# Altium PCB LimeSDR-X3_1v2.PcbDoc (part 16 of 25) (continued)
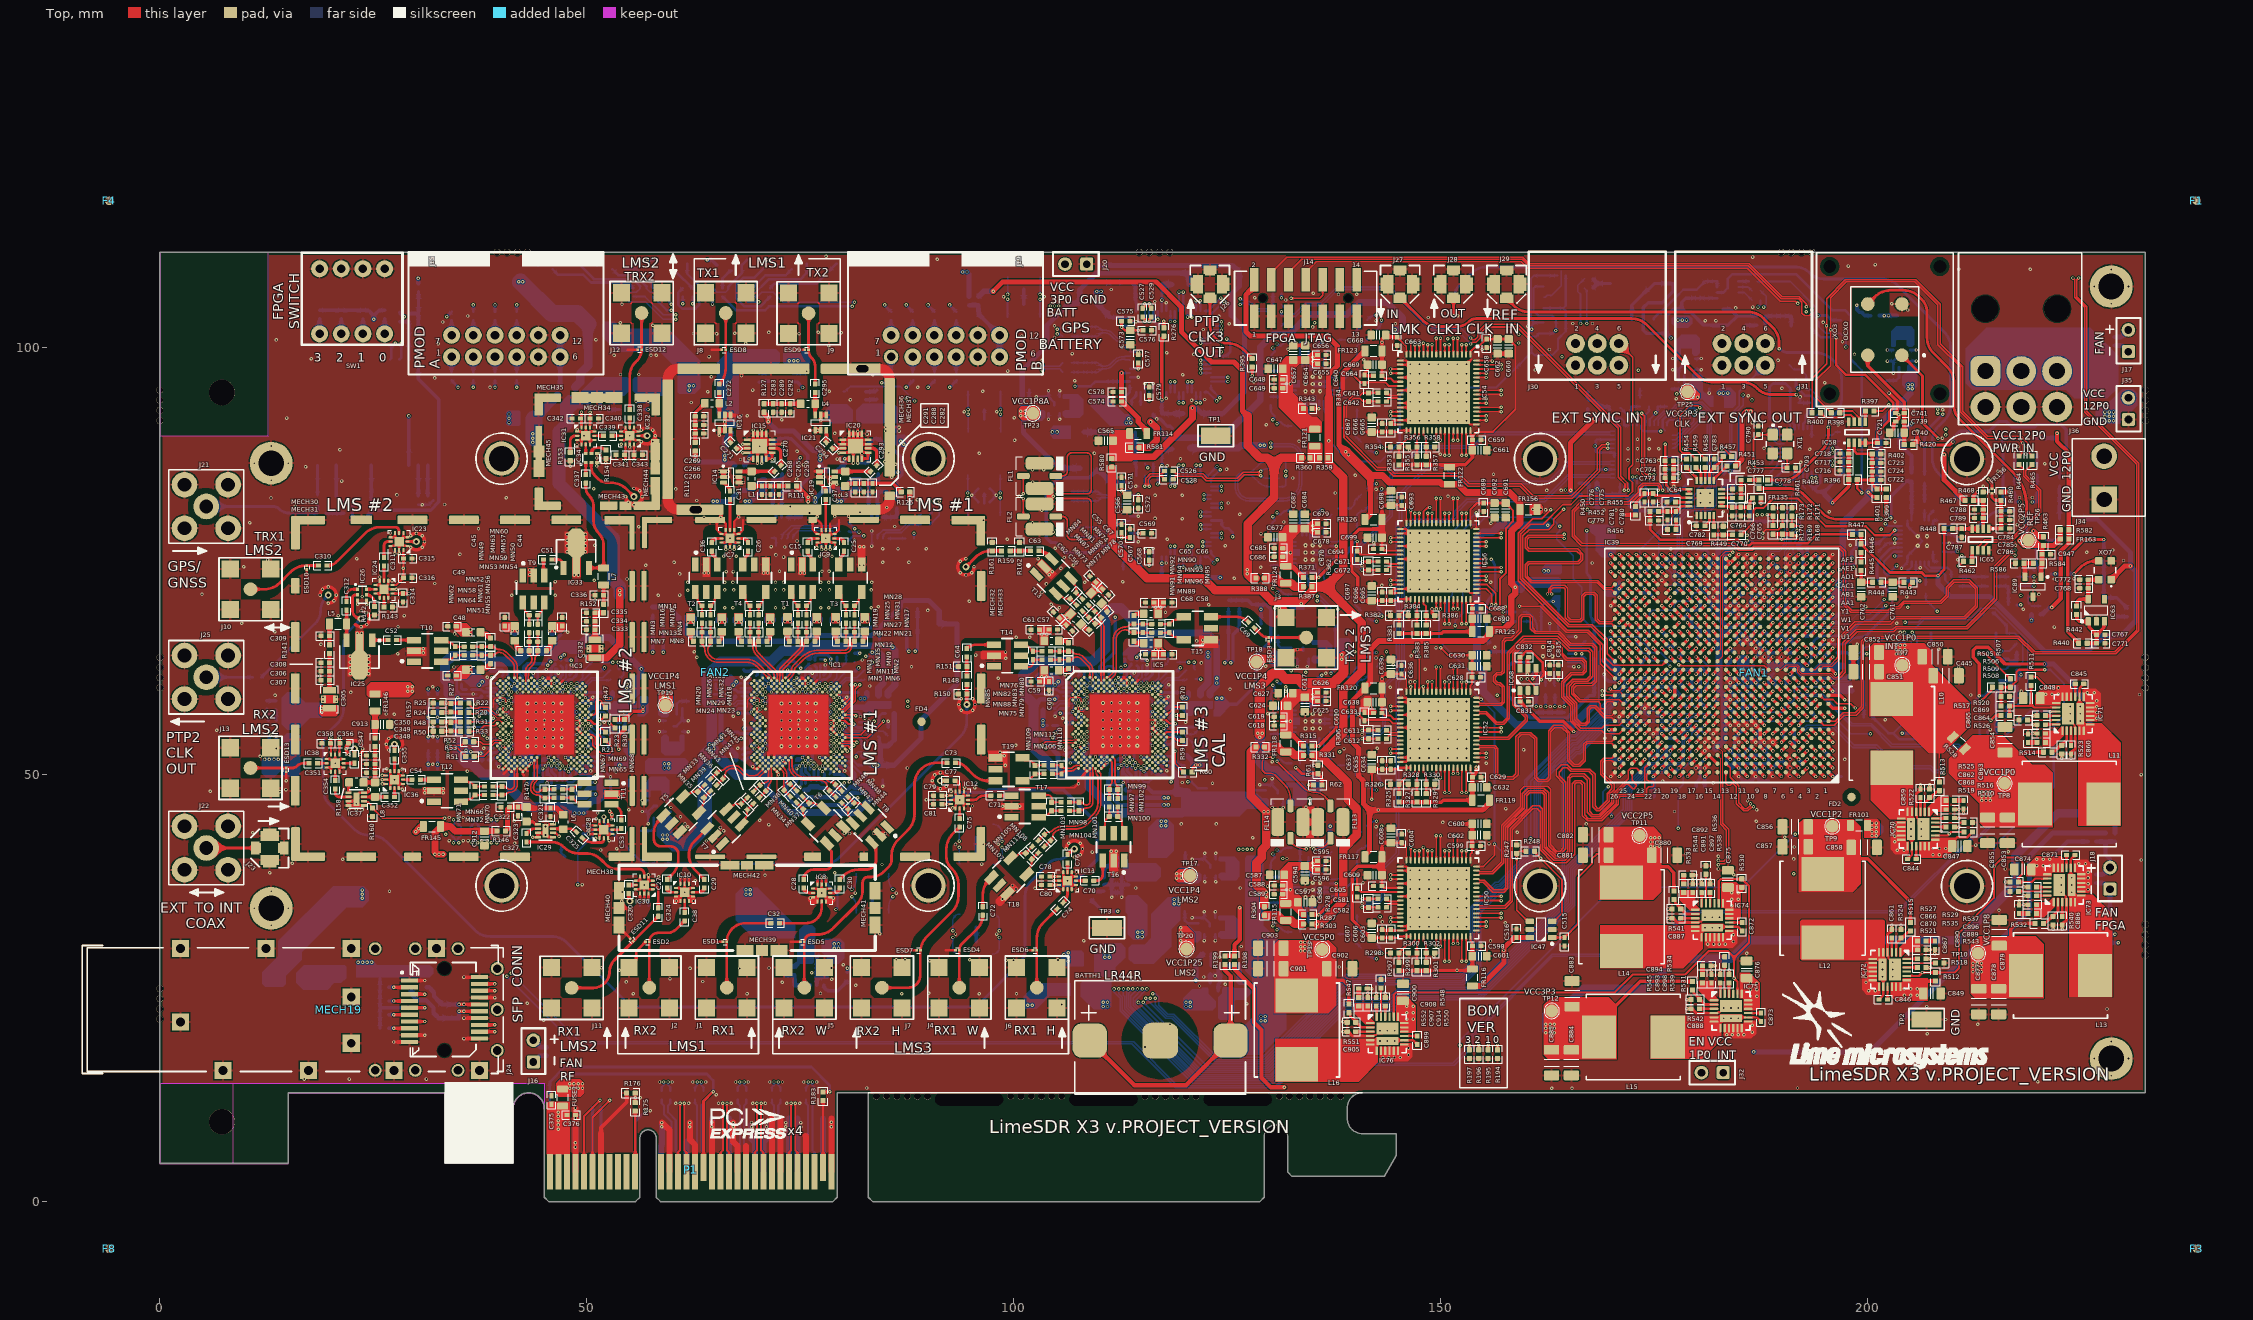
[diagram p0: Top view]
## Nets (pads, with @x,y where several pads share a name; then routed paths per layer and width w, separated by ;. In a path a pad name is that pad's centre, name@x,y a point inside that pad or via, vN(x,y) a via of type N, cw(c..) or ccw(c..) an arc to the next point about the centre after c; other vN are vias at no path point) (continued)
LMS2_TX2_BB_DAC_I_P: C523.2 IC49.29 R268.2 R270.2 R272.1 | length 7.4
  Bottom w0.2: R272.1@106.702,102.427 R270.2@107.802,102.427 108.852,102.427 R268.2@109.782,102.427 ; R268.2@109.782,102.429 cw(c109.782,102.258) R268.2@109.902,102.379 ; R268.2@109.903,102.378 110.091,102.19 cw(c110.063,102.162) 110.102,102.162 ccw(c110.142,102.162) 110.114,102.134 ccw(c110.369,102.389) 110.369,102.029 110.666,102.029 cw(c110.666,100.796) 111.538,101.668 111.959,101.247 ccw(c112.728,102.016) 112.728,100.928 112.937,100.928 ccw(c112.937,101.013) 112.998,100.953 cw(c113.058,100.893) 113.058,100.978 113.457,100.978 ccw(c113.457,101.149) IC49.29@113.578,101.028
LMS2_TX2_BB_DAC_Q_N: C521.1 IC49.24 R254.1 R256.2 R258.1 | length 7.4
  Bottom w0.2: R254.1@106.702,97.129 R256.2@107.802,97.129 108.852,97.129 R258.1@109.782,97.129 ; R258.1@109.782,97.127 ccw(c109.782,97.298) R258.1@109.902,97.179 ; R258.1@109.903,97.178 110.091,97.366 ccw(c110.063,97.394) 110.102,97.394 cw(c110.142,97.394) 110.114,97.422 cw(c110.369,97.167) 110.369,97.527 110.666,97.527 ccw(c110.666,98.76) 111.538,97.888 111.959,98.309 cw(c112.728,97.54) 112.728,98.628 112.937,98.628 cw(c112.937,98.543) 112.998,98.603 ccw(c113.058,98.663) 113.058,98.578 113.457,98.578 cw(c113.457,98.407) IC49.24@113.578,98.528
LMS2_TX2_BB_DAC_Q_P: C521.2 IC49.25 R258.2 R260.2 R262.1 | length 7.4
  Bottom w0.2: R262.1@106.702,98.229 R260.2@107.802,98.229 108.852,98.229 R258.2@109.782,98.229 ; R258.2@109.782,98.227 cw(c109.782,98.056) 109.902,98.177 110.091,97.989 cw(c110.063,97.961) 110.102,97.961 ccw(c110.142,97.961) 110.114,97.933 ccw(c110.369,98.187) 110.369,97.827 110.662,97.827 ccw(c110.662,98.769) 111.329,98.104 111.748,98.523 cw(c112.725,97.546) 112.725,98.928 112.937,98.928 ccw(c112.937,99.013) 112.998,98.953 cw(c113.058,98.893) 113.058,98.978 113.457,98.978 ccw(c113.457,99.149) IC49.25@113.578,99.028
LMS2_TX2_BB_I_N: FL6.1 R264.2 | length 12.2
  L3 w0.1: v1(103.056,105.679) cw(c103.056,105.766) 102.995,105.705 ccw(c102.639,105.348) 102.639,105.852 102.552,105.852 ccw(c102.552,105.325) 102.025,105.325 102.025,104.66 ccw(c102.635,104.66) 102.635,104.05 105.355,104.05 cw(c105.355,103.205) 106.2,103.205 106.2,102.427 cw(c105.55,102.427) 105.55,101.777 105.492,101.777 ccw(c105.492,101.273) 105.136,101.629 cw(c105.075,101.69) v1(105.075,101.604)
  Bottom w0.2: FL6.1@103.056,103.575 v1(103.056,105.679) ; v1(105.075,101.604) cw(c105.075,100.759) 105.673,101.357 R264.2@105.702,101.327
LMS2_TX2_BB_I_P: FL5.1 R272.2 | length 12.2
  L3 w0.1: v1(103.056,106.225) ccw(c103.056,106.139) 102.995,106.2 cw(c102.639,106.556) 102.639,106.052 102.552,106.052 ccw(c102.552,105.325) 101.825,105.325 101.825,104.66 ccw(c102.635,104.66) 102.635,103.85 105.355,103.85 cw(c105.355,103.205) 106,103.205 106,102.427 cw(c105.55,102.427) 105.55,101.977 105.492,101.977 cw(c105.492,102.481) 105.136,102.125 ccw(c105.075,102.064) v1(105.075,102.15)
  Bottom w0.15: v1(103.056,106.225) FL5.1@103.056,108.325
  Bottom w0.2: v1(105.075,102.15) ccw(c105.075,102.995) 105.673,102.398 R272.2@105.702,102.427
LMS2_TX2_BB_Q_N: FL8.1 R254.2 | length 13.4
  L3 w0.1: v1(98.425,92.2) ccw(c98.425,92.286) 98.486,92.225 cw(c98.842,91.869) 98.842,92.373 99.148,92.373 ccw(c99.148,93.4) 100.175,93.4 100.175,95.054 cw(c102.7,95.054) 102.7,97.579 102.766,97.579 cw(c102.766,96.823) v1(103.3,97.358)
  Bottom w0.15: FL8.1@98.425,90.1 v1(98.425,92.2)
  Bottom w0.2: v1(103.3,97.358) cw(c103.713,96.944) 103.713,97.529 105.261,97.529 cw(c105.261,97.229) 105.473,97.441 cw(c105.402,97.37) 105.502,97.37 ccw(c105.602,97.37) 105.532,97.299 R254.2@105.702,97.129
LMS2_TX2_BB_Q_P: FL7.1 R262.2 | length 13.4
  L3 w0.1: v1(98.425,92.746) cw(c98.425,92.659) 98.486,92.72 ccw(c98.842,93.077) 98.842,92.573 99.148,92.573 ccw(c99.148,93.4) 99.975,93.4 99.975,95.054 cw(c102.7,95.054) 102.7,97.779 102.766,97.779 ccw(c102.766,98.534) v1(103.3,98)
  Bottom w0.2: v1(98.425,92.746) FL7.1@98.425,94.85 ; v1(103.3,98) ccw(c103.713,98.413) 103.713,97.829 105.261,97.829 ccw(c105.261,98.129) 105.473,97.917 ccw(c105.402,97.987) 105.502,97.987 cw(c105.602,97.987) 105.532,98.058 R262.2@105.702,98.229
LMS2_TXEN: IC3.U29 IC39.AA8 R30.2 | length 236.9
  Top w0.4: v1(53.7,52.975) 53.7,54.591 54.391,55.282 R30.2@54.391,55.457 ; IC39.AA8@188.375,70.275 v1(188.875,70.775)
  L3 w0.1: v1(134.625,46.6) 134.125,47.1 134.125,53.39 133,54.515 133,60.4 133.738,61.138 133.738,62.175 133.95,62.387 133.95,62.8 134.45,63.3 134.65,63.3 137.65,66.3 142.342,66.3 144.95,68.908 144.95,69.525 145.799,70.374 145.799,78.801 144.85,79.75 144.85,90.858 146.092,92.1 146.625,92.1 146.9,92.375 146.9,98.142 145.3,99.742 145.3,101.209 146.566,102.475 159.2,102.475 160.05,101.625 163.692,101.625 164.542,102.475 172.325,102.475 173.3,101.5 175.408,101.5 180.233,96.675 186.925,96.675 191.1,92.5 191.1,82.694 189.6,81.194 189.6,79.175 188.825,78.4 188.825,77.441 187.925,76.541 187.925,74.908 187.5,74.483 187.5,71.645 187.72,71.425 188.225,71.425 v1(188.875,70.775)
  L4 w0.1: v2(48.825,56.006) 48.825,55.398 49.373,54.85 50.8,54.85 52.675,52.975 v1(53.7,52.975) 59.517,52.975 66.292,46.2 70.55,46.2 71.925,44.825 77.117,44.825 77.917,44.025 82.85,44.025 84.15,45.325 110.075,45.325 120.35,45.325 122.025,47 134.225,47 v1(134.625,46.6)
LMS2_TxPLL_CLK: C800.2 IC3.E5 R473.1 | length 138
  L6 w0.1: v2(40.833,60.002) 41.975,60.002 cw(c41.975,59.627) 42.35,59.627 42.35,55.525 ccw(c43,55.525) 43,54.875 46.701,54.875 cw(c46.701,53.851) 47.425,54.575 47.81,54.19 ccw(c48.45,54.83) 48.45,53.925 59.598,53.925 cw(c59.598,51.385) 61.394,53.181 65.856,48.719 ccw(c67.652,50.515) 67.652,47.975 75.923,47.975 cw(c75.923,45.435) 77.719,47.231 77.869,47.081 78.456,46.494 ccw(c80.252,48.29) 80.252,45.75 99.123,45.75 cw(c99.123,43.21) 100.919,45.006 101.506,44.419 ccw(c103.302,46.215) 103.302,43.675 107.1,43.675 cw(c107.1,41.2) 108.85,42.95 ccw(c109.997,44.097) 109.997,42.475 123.448,42.475 ccw(c123.448,45.015) 125.244,43.219 130.981,48.956 cw(c132.777,47.16) 132.777,49.7 136.598,49.7 ccw(c136.598,52.24) 138.394,50.444 145.429,57.479 cw(c146.627,56.28) 146.627,57.975 157.534,57.975 ccw(c157.534,59.341) 158.5,58.375 cw(c158.983,57.892) 158.983,58.575 161.775,58.575 cw(c161.775,58.1) 162.25,58.1 v1(162.25,57.976)
  Bottom w0.325: C800.2@162.25,58.276 R473.1@162.25,59.376
LMS2_TXRF1_1AB_N: IC3.A7 MN55.1 MN61.2 MN64.2 | length 7.1
  Top w0.14: IC3.A7@41.499,61.334 ccw(c41.47,61.363) 41.511,61.363 41.511,62.246 41.501,62.256
  Top w0.2: MN64.2@36.625,63.982 MN61.2@37.675,63.982 MN55.1@38.725,63.982 38.915,63.982 ccw(c38.915,64.49) 39.274,64.13 39.306,64.163 cw(c39.665,63.804) 39.665,64.312 cw(c39.665,63.236) 40.426,63.997 41.241,63.182 cw(c40.612,62.553) 41.501,62.553 41.501,62.381 41.501,62.256
LMS2_TXRF1_1AB_P: IC3.B8 MN56.1 MN58.2 MN61.1 | length 7.9
  Top w0.11: IC3.B8@41.832,61.001 41.832,61.506
  Top w0.14: 41.832,61.506 41.832,62.246 41.841,62.256
  Top w0.2: MN58.2@36.625,64.982 MN61.1@37.675,64.982 MN56.1@38.725,64.982 38.915,64.982 cw(c38.915,64.474) 39.274,64.833 39.306,64.8 ccw(c39.665,65.16) 39.665,64.652 39.669,64.652 cw(c39.669,63.245) 40.664,64.24 41.482,63.421 cw(c40.615,62.554) 41.841,62.554 41.841,62.381 41.841,62.256
LMS2_TXRF1_1BB_N: MN62.1 MN64.1 T10.6 | length 3
  Top w0.2: T10.6@32.94,63.137 33.285,63.482 33.935,63.482 ccw(c33.935,63.819) 34.174,63.58 MN62.1@34.575,63.982 MN64.1@35.625,63.982
LMS2_TXRF1_1BB_P: MN58.1 MN62.2 T10.4 | length 3
  Top w0.2: T10.4@32.94,65.827 33.285,65.482 33.935,65.482 cw(c33.935,65.144) 34.174,65.383 MN62.2@34.575,64.982 35.225,64.982 MN58.1@35.625,64.982
LMS2_TXRF2_1AB_N: IC3.C11 MN53.1 MN59.2 MN63.2 | length 6.3
  Top w0.11: IC3.C11@42.831,60.668 42.831,61.173
  Top w0.14: 42.831,61.173 42.831,61.913
  Top w0.2: 42.822,61.923 42.822,62.096 cw(c43.765,62.096) 43.098,62.763 43.39,63.056 ccw(c42.956,63.491) 43.571,63.491 43.571,63.566 ccw(c43.063,63.566) 43.422,63.925 43.39,63.958 cw(c43.749,64.317) 43.241,64.317 MN53.1@43.241,64.507 MN59.2@43.241,65.557 43.241,66.382 MN63.2@43.241,66.607
LMS2_TXRF2_1AB_P: IC3.B12 MN54.1 MN57.2 MN59.1 | length 5.9
  Top w0.14: 43.152,61.913 43.152,61.03 ccw(c43.193,61.03) IC3.B12@43.164,61.001
  Top w0.2: 43.162,61.955 43.162,61.998 cw(c44.002,61.998) 43.408,62.592 43.631,62.816 ccw(c42.956,63.491) 43.911,63.491 43.911,63.566 cw(c44.419,63.566) 44.06,63.925 44.092,63.958 ccw(c43.733,64.317) 44.241,64.317 MN54.1@44.241,64.507 44.241,65.307 MN59.1@44.241,65.557 MN57.2@44.241,66.607
LMS2_TXRF2_1BB_N: MN60.1 MN63.1 T9.6 | length 3
  Top w0.2: T9.6@42.396,70.291 42.741,69.946 42.741,69.296 ccw(c43.078,69.296) 42.84,69.058 MN60.1@43.241,68.657 MN63.1@43.241,67.607
LMS2_TXRF2_1BB_P: MN57.1 MN60.2 T9.4 | length 3
  Top w0.2: MN57.1@44.241,67.607 44.241,68.007 MN60.2@44.241,68.657 44.642,69.058 ccw(c44.404,69.296) 44.741,69.296 44.741,69.946 T9.4@45.086,70.291
LMS3_BB_ADC1_CLK_N: C642.2 IC67.33 R334.1 | length 46
  Top w0.2: C642.2@142.634,93.702 140.85,93.702 140.5,94.052 139.801,94.052 138.95,93.201 138.95,89.574 142.574,85.95 143.874,85.95 144.549,85.275 152.075,85.275 153.3,84.05 159.4,84.05 160.788,82.662 165.287,82.662 168.3,85.675 168.3,88.101 168.824,88.625 169.222,88.625 169.284,88.687 169.491,88.687 v1(169.529,88.725)
  Bottom w0.2: v1(169.529,88.725) IC67.33@170.3,88.725
LMS3_BB_ADC1_CLK_P: C641.2 IC67.32 R334.2 | length 46.9
  Top w0.2: C641.2@142.634,94.702 R334.2@141.534,94.702 140.85,94.702 140.5,94.352 139.677,94.352 138.65,93.325 138.65,89.45 142.45,85.65 143.75,85.65 144.425,84.975 151.951,84.975 153.176,83.75 159.276,83.75 160.664,82.362 165.411,82.362 168.6,85.551 168.6,87.977 168.948,88.325 169.222,88.325 169.284,88.263 169.491,88.263 v1(169.529,88.225)
  Bottom w0.2: v1(169.529,88.225) IC67.32@170.3,88.225
LMS3_BB_ADC1_CLKC_N: C642.1 IC54.26 | length 1.8
  Top w0.2: C642.1@143.634,93.75 143.822,93.938 ccw(c143.794,93.966) 143.834,93.966 cw(c143.873,93.966) 143.845,93.994 cw(c144.1,93.74) 144.1,94.1 144.625,94.1 144.813,94.1 cw(c144.813,93.929) 144.934,94.05 ccw(c145.055,94.171) 145.055,94 IC54.26@145.25,94
LMS3_BB_ADC1_CLKC_P: C641.1 IC54.25 | length 1.8
  Top w0.2: C641.1@143.634,94.75 143.822,94.562 cw(c143.794,94.534) 143.834,94.534 ccw(c143.873,94.534) 143.845,94.506 ccw(c144.1,94.76) 144.1,94.4 144.813,94.4 ccw(c144.813,94.571) 144.934,94.45 cw(c145.055,94.329) 145.055,94.5 IC54.25@145.25,94.5
LMS3_BB_ADC1_CLKOUT_N: IC39.AB20 IC54.56 | length 56
  Top w0.2: IC54.56@154.15,94.5 v1(157.05,94.5)
  Top w0.4: IC39.AB20@176.375,71.275 v1(176.875,71.775)
  L3 w0.1: v1@157.021,94.5 v1(157.05,94.5) 157.079,94.5 157.229,94.65 173.97,94.65 179.175,89.445 179.175,87.834 178.85,87.509 178.85,86.475 179.375,85.95 180.642,85.95 180.95,85.642 180.95,85.293 180.732,85.075 179.809,85.075 179.275,84.541 179.275,82.1 180.125,81.25 180.682,81.25 180.854,81.079 180.854,80.804 180.75,80.7 179.809,80.7 179.275,80.166 179.275,79.326 179.876,78.725 180.95,78.725 181.1,78.575 181.1,77.55 180.975,77.425 179.976,77.425 179.3,76.749 179.3,74.6 179.075,74.375 178.592,74.375 178.25,74.033 178.25,71.65 177.975,71.375 177.275,71.375 v1(176.875,71.775)
LMS3_BB_ADC1_CLKOUT_P: IC39.AA20 IC54.57 | length 56.7
  Top w0.2: IC54.57@154.15,95 v1(157.05,95)
  Top w0.4: IC39.AA20@176.375,70.275 v1(176.875,70.775)
  L3 w0.1: v1@157.021,95 v1(157.05,95) 157.079,95 157.229,94.85 173.358,94.85 174.053,94.85 179.375,89.528 179.375,87.751 179.05,87.426 179.05,86.558 179.458,86.15 180.725,86.15 181.15,85.725 181.15,85.21 180.815,84.875 179.892,84.875 179.475,84.458 179.475,82.183 180.208,81.45 180.765,81.45 181.054,81.162 181.054,80.721 180.833,80.5 179.892,80.5 179.475,80.083 179.475,79.409 179.959,78.925 181.033,78.925 181.3,78.658 181.3,77.467 181.058,77.225 180.059,77.225 179.5,76.666 179.5,74.517 179.158,74.175 178.675,74.175 178.45,73.95 178.45,71.567 178.216,71.334 178.058,71.175 177.275,71.175 v1(176.875,70.775)
LMS3_BB_ADC1_CTRL1: IC54.35 R353.1 R354.2 | length 4.1
  Top w0.24: R353.1@145.075,87.275 R354.2@145.075,88.375 146,89.3 146.425,89.3 146.95,89.825 IC54.35@146.95,90.3
LMS3_BB_ADC1_CTRL2: IC54.36 R355.1 R356.2 | length 3.1
  Top w0.24: R355.1@147.175,87.275 R356.2@147.175,88.375 147.175,89.475 147.45,89.75 IC54.36@147.45,90.3
LMS3_BB_ADC1_CTRL3: IC54.37 R357.1 R358.2 | length 3.2
  Top w0.24: IC54.37@147.95,90.3 147.95,89.775 148.275,89.45 R358.2@148.275,88.375 R357.1@148.275,87.275
LMS3_BB_ADC1_DA0_N: IC39.AD26 IC54.40 | length 55.8
  Top w0.2: v1(149.45,89.15) IC54.40@149.45,90.3
  Top w0.4: v1(169.875,73.775) IC39.AD26@170.375,73.275
  L3 w0.1: v1@149.45,89.121 v1(149.45,89.15) 149.45,89.179 149.6,89.329 149.6,89.8 149.325,90.075 148.633,90.075 147.8,89.242 147.8,88.45 148.225,88.025 149.225,88.025 149.525,87.725 149.525,86.875 149.175,86.525 148.078,86.525 147.8,86.247 147.8,85.658 149.108,84.35 154.322,84.35 155.2,85.228 155.2,86.85 155.55,87.2 156.35,87.2 156.725,86.825 156.725,85.178 158.078,83.825 163.606,83.825 164.456,84.675 166.067,84.675 166.767,83.975 168.081,83.975 168.458,84.351 169.356,84.351 169.415,84.293 169.8,83.908 169.8,82.553 170.878,81.475 171.75,81.475 172.075,81.15 172.075,79.942 168.575,76.442 168.575,74.717 167.9,74.042 167.9,73.833 168.358,73.375 168.65,73.375 168.775,73.5 168.775,73.875 168.875,73.975 169.125,73.975 169.225,73.875 169.225,73.5 169.325,73.4 169.775,73.4 169.875,73.5 v1(169.875,73.775)
LMS3_BB_ADC1_DA0_P: IC39.AD25 IC54.41 | length 56.8
  Top w0.2: v1(149.95,89.15) IC54.41@149.95,90.3
  Top w0.4: v1(170.875,73.775) IC39.AD25@171.375,73.275
  L3 w0.1: v1@149.95,89.121 v1(149.95,89.15) 149.95,89.179 149.8,89.329 149.8,89.883 149.483,90.2 149.408,90.275 148.55,90.275 147.6,89.325 147.6,88.367 148.142,87.825 149.142,87.825 149.325,87.642 149.325,86.958 149.092,86.725 147.996,86.725 147.6,86.329 147.6,85.575 149.025,84.15 154.405,84.15 155.4,85.145 155.4,86.767 155.633,87 156.267,87 156.525,86.742 156.525,85.095 157.995,83.625 163.689,83.625 164.539,84.475 165.984,84.475 166.684,83.775 168.164,83.775 168.541,84.151 169.274,84.151 169.332,84.093 169.6,83.825 169.6,82.47 170.795,81.275 171.667,81.275 171.875,81.067 171.875,80.025 168.375,76.525 168.375,74.8 167.7,74.125 167.7,73.75 168.275,73.175 169.85,73.175 170.45,73.775 v1(170.875,73.775)
LMS3_BB_ADC1_DA1_N: IC39.AC23 IC54.42 | length 56.7
  Top w0.2: v1(150.45,87.4) IC54.42@150.45,90.3
  Top w0.4: v1(172.875,72.775) IC39.AC23@173.375,72.275
  L3 w0.1: v1(150.45,87.4) 150.45,87.371 150.6,87.221 ; 150.6,87.2 150.6,86.275 150.6,86.192 152.242,84.55 154.234,84.55 154.334,84.65 154.339,84.65 155,85.311 155,88.2 155.1,88.3 156.825,88.3 156.925,88.2 156.925,85.261 158.161,84.025 163.524,84.025 164.97,85.472 165.553,85.472 166.85,84.175 167.999,84.175 168.6,84.776 168.6,86.392 169.083,86.875 169.625,86.875 170,86.5 170,85.359 170.4,84.959 170.4,84.6 170,84.2 170,82.636 170.961,81.675 172.425,81.675 172.889,81.211 172.889,80.389 169.006,76.506 169.006,74.794 169.625,74.175 173.05,74.175 173.275,73.95 173.275,73.15 172.9,72.775 v1(172.875,72.775)
LMS3_BB_ADC1_DA1_P: IC39.AC22 IC54.43 | length 56.7
  Top w0.2: v1(150.95,87.4) IC54.43@150.95,90.3
  Top w0.4: v1(173.875,72.775) IC39.AC22@174.375,72.275
  L3 w0.1: 150.8,87.2 150.8,86.275 152.325,84.75 154.151,84.75 154.251,84.85 154.256,84.85 154.8,85.394 154.8,88.283 155.017,88.5 156.908,88.5 157.125,88.283 157.125,85.344 158.244,84.225 163.441,84.225 164.888,85.672 165.636,85.672 166.933,84.375 167.916,84.375 168.4,84.859 168.4,86.475 169,87.075 169.708,87.075 170.2,86.583 170.2,85.442 170.6,85.042 170.6,84.517 170.2,84.117 170.2,82.719 171.044,81.875 172.508,81.875 173.089,81.294 173.089,80.306 169.206,76.423 169.206,74.877 169.708,74.375 173.133,74.375 173.475,74.033 173.475,73.15 173.85,72.775 v1(173.875,72.775) ; 150.8,87.221 150.95,87.371 v1(150.95,87.4)
LMS3_BB_ADC1_DA2_N: IC39.AE26 IC54.44 | length 55.8
  Top w0.2: v1(151.45,89.15) IC54.44@151.45,90.3
  Top w0.4: v1(169.875,74.775) IC39.AE26@170.375,74.275
  L3 w0.1: v1@151.45,89.179 v1(151.45,89.15) 151.45,89.121 151.6,88.971 151.6,85.867 151.6,85.784 152.334,85.05 154.174,85.05 154.6,85.476 154.6,88.4 154.9,88.7 157.051,88.7 157.325,88.426 157.325,85.426 158.326,84.425 163.358,84.425 164.425,85.492 164.425,87.917 164.633,88.125 165.592,88.125 165.8,87.917 165.8,85.791 167.016,84.575 167.833,84.575 168.2,84.942 168.2,87.325 168.425,87.55 169.7,87.55 170.4,86.85 170.4,85.525 170.8,85.125 170.8,84.191 170.4,83.791 170.4,82.801 171.126,82.075 172.961,82.075 173.289,81.747 173.289,80.17 170.275,77.156 170.275,75.175 v1(169.875,74.775)
LMS3_BB_ADC1_DA2_P: IC39.AE25 IC54.45 | length 55.8
  Top w0.2: v1(151.95,89.15) IC54.45@151.95,90.3
  Top w0.4: v1(170.875,74.775) IC39.AE25@171.375,74.275
  L3 w0.1: v1@151.95,89.179 v1(151.95,89.15) 151.95,89.121 151.8,88.971 151.8,85.867 152.417,85.25 154.091,85.25 154.4,85.559 154.4,88.483 154.817,88.9 157.134,88.9 157.525,88.509 157.525,85.509 158.409,84.625 163.275,84.625 164.225,85.575 164.225,88 164.55,88.325 165.675,88.325 166,88 166,85.874 167.099,84.775 167.75,84.775 168,85.025 168,87.408 168.342,87.75 169.783,87.75 170.6,86.933 170.6,85.608 171,85.208 171,84.108 170.6,83.708 170.6,82.884 171.209,82.275 173.044,82.275 173.489,81.83 173.489,80.087 170.475,77.074 170.475,75.175 v1(170.875,74.775)
LMS3_BB_ADC1_DA3_N: IC39.AF25 IC54.46 | length 55.8
  Top w0.2: v1(152.45,87.4) IC54.46@152.45,90.3
  Top w0.4: v1(170.875,75.775) IC39.AF25@171.375,75.275
  L3 w0.1: v1@152.45,87.429 v1(152.45,87.4) 152.45,87.371 152.6,87.221 ; 152.6,87.2 152.6,85.917 152.6,85.717 152.867,85.45 154.008,85.45 154.2,85.642 154.2,88.567 154.733,89.1 157.217,89.1 157.725,88.592 157.725,85.725 158.125,85.325 158.908,85.325 159.2,85.617 159.2,88.775 159.525,89.1 166.2,89.1 166.325,88.975 166.325,87.142 166.642,86.825 167.383,86.825 167.7,87.142 167.7,88.95 167.85,89.1 170.517,89.1 170.95,88.667 170.95,85.542 171.375,85.117 171.375,84.2 170.8,83.625 170.8,82.967 171.292,82.475 173.126,82.475 173.7,81.901 173.7,81.236 174.55,80.386 174.55,80.11 174.04,79.6 173.284,79.6 171.275,77.591 171.275,76.175 v1(170.875,75.775)
LMS3_BB_ADC1_DA3_P: IC39.AF24 IC54.47 | length 55.8
  Top w0.2: v1(152.95,87.4) IC54.47@152.95,90.3
  Top w0.4: v1(171.875,75.775) IC39.AF24@172.375,75.275
  L3 w0.1: 152.8,87.2 152.8,85.8 152.95,85.65 153.925,85.65 154,85.725 154,88.65 154.65,89.3 157.3,89.3 157.925,88.675 157.925,85.808 158.208,85.525 158.825,85.525 159,85.7 159,88.858 159.442,89.3 166.283,89.3 166.525,89.058 166.525,87.225 166.725,87.025 167.3,87.025 167.5,87.225 167.5,89.033 167.767,89.3 170.6,89.3 171.15,88.75 171.15,85.625 171.575,85.2 171.575,84.117 171,83.542 171,83.05 171.375,82.675 173.209,82.675 173.9,81.984 173.9,81.319 174.75,80.469 174.75,80.028 174.122,79.4 173.367,79.4 171.475,77.508 171.475,76.175 v1(171.875,75.775) ; 152.8,87.221 152.95,87.371 v1(152.95,87.4) v1@152.95,87.429
LMS3_BB_ADC1_DA4_N: IC39.AF20 IC54.50 | length 56.4
  Top w0.2: IC54.50@154.15,91.5 v1(155.3,91.5)
  Top w0.4: v1(175.875,75.775) IC39.AF20@176.375,75.275
  L3 w0.1: v1@155.271,91.5 v1(155.3,91.5) 155.329,91.5 155.479,91.65 155.967,91.65 156.517,91.1 157.692,91.1 158.408,91.1 158.75,91.442 158.75,93.25 158.95,93.45 160.625,93.45 160.825,93.25 160.825,91.392 161.117,91.1 162.683,91.1 162.95,91.367 162.95,93.309 163.091,93.45 164.766,93.45 164.825,93.391 164.825,91.492 165.192,91.125 167.183,91.125 167.475,91.417 167.475,92.792 168.133,93.45 169.6,93.45 169.875,93.175 169.875,91.392 170.142,91.125 170.808,91.125 171.025,91.342 171.025,93.167 171.308,93.45 173.473,93.45 174,92.923 174,91.126 174.576,90.55 176.373,90.55 176.921,90.002 176.921,87.946 176.45,87.475 176.45,85.868 177.05,85.268 177.05,84.495 177.625,83.92 177.625,83.625 176.875,82.875 176.875,79.342 177.325,78.892 177.325,78.5 176.275,77.45 176.275,76.175 v1(175.875,75.775)
LMS3_BB_ADC1_DA4_P: IC39.AF19 IC54.51 | length 56.7
  Top w0.2: IC54.51@154.15,92 v1(155.3,92)
  Top w0.4: v1(176.875,75.775) IC39.AF19@177.375,75.275
  L3 w0.1: v1@155.271,92 v1(155.3,92) 155.329,92 155.479,91.85 156.05,91.85 156.6,91.3 157.609,91.3 158.325,91.3 158.55,91.525 158.55,93.333 158.867,93.65 160.708,93.65 161.025,93.333 161.025,91.475 161.2,91.3 162.6,91.3 162.75,91.45 162.75,93.392 163.008,93.65 164.849,93.65 165.025,93.474 165.025,91.575 165.275,91.325 167.1,91.325 167.275,91.5 167.275,92.875 168.05,93.65 169.683,93.65 170.075,93.258 170.075,91.475 170.225,91.325 170.725,91.325 170.825,91.425 170.825,93.25 171.225,93.65 173.556,93.65 174.2,93.006 174.2,91.209 174.659,90.75 176.456,90.75 177.121,90.085 177.121,87.863 176.65,87.392 176.65,85.951 177.25,85.351 177.25,84.578 177.825,84.003 177.825,83.542 177.075,82.792 177.075,79.425 177.525,78.975 177.525,78.417 176.475,77.367 176.475,76.175 v1(176.875,75.775)
LMS3_BB_ADC1_DA5_N: IC39.AF18 IC54.52 | length 56
  Top w0.2: IC54.52@154.15,92.5 v1(157.05,92.5)
  Top w0.4: v1(177.875,75.775) IC39.AF18@178.375,75.275
  L3 w0.1: v1@157.079,92.5 v1(157.05,92.5) 157.021,92.5 156.871,92.65 156.45,92.65 156.3,92.5 156.3,92.2 156.8,91.7 158,91.7 158.15,91.85 158.15,93.499 158.701,94.05 161.033,94.05 161.425,93.658 161.425,92.033 161.708,91.75 162.1,91.75 162.35,92 162.35,93.733 162.667,94.05 165.058,94.05 165.425,93.683 165.425,92.858 165.633,92.65 166.642,92.65 166.875,92.883 166.875,93.25 167.675,94.05 173.722,94.05 174.6,93.172 174.6,91.375 174.825,91.15 176.622,91.15 177.521,90.251 177.521,87.588 177.091,87.159 177.091,86.444 177.76,85.775 178.175,85.775 178.55,85.4 178.55,83.692 177.475,82.617 177.475,79.591 177.87,79.196 178.557,79.196 179,78.753 179,78.317 178.683,78 177.714,78 177.475,77.761 177.475,77 177.6,76.875 177.975,76.875 178.075,76.775 178.075,76.525 177.975,76.425 177.6,76.425 177.5,76.325 177.5,75.875 177.6,75.775 v1(177.875,75.775)
LMS3_BB_ADC1_DA5_P: IC39.AE18 IC54.53 | length 56.3
  Top w0.2: IC54.53@154.15,93 v1(157.05,93)
  Top w0.4: v1(177.875,74.775) IC39.AE18@178.375,74.275
  L3 w0.1: v1@157.079,93 v1(157.05,93) 157.021,93 156.871,92.85 156.367,92.85 156.1,92.583 156.1,92.117 156.717,91.5 157.561,91.5 158.083,91.5 158.35,91.767 158.35,93.416 158.784,93.85 160.95,93.85 161.225,93.575 161.225,91.95 161.625,91.55 162.183,91.55 162.55,91.917 162.55,93.65 162.75,93.85 164.975,93.85 165.225,93.6 165.225,92.775 165.55,92.45 166.725,92.45 167.075,92.8 167.075,93.167 167.758,93.85 173.639,93.85 174.4,93.089 174.4,91.292 174.742,90.95 176.539,90.95 177.321,90.168 177.321,87.671 176.891,87.241 176.891,86.361 177.677,85.575 178.092,85.575 178.35,85.317 178.35,83.775 177.275,82.7 177.275,79.508 177.787,78.996 178.474,78.996 178.8,78.67 178.8,78.4 178.6,78.2 177.632,78.2 177.275,77.843 177.275,75.375 v1(177.875,74.775)
LMS3_BB_ADC1_DA6_N: IC39.AF17 IC54.54 | length 56.4
  Top w0.2: IC54.54@154.15,93.5 v1(155.3,93.5)
  Top w0.4: v1(178.875,75.775) IC39.AF17@179.375,75.275
  L3 w0.1: v1@155.329,93.5 v1(155.3,93.5) 155.271,93.5 155.121,93.65 154.667,93.65 154.25,94.067 154.25,95.8 154.6,96.15 156.158,96.15 156.45,95.858 156.45,93.95 156.625,93.775 157.8,93.775 158.475,94.45 173.887,94.45 178.975,89.362 178.975,87.917 178.333,87.275 177.908,87.275 177.521,86.888 177.521,86.58 177.901,86.2 178.608,86.2 179.009,85.799 179.009,83.334 178.725,83.05 178.474,83.05 178.075,82.651 178.075,82.183 178.3,81.958 179.05,81.958 179.625,81.383 179.625,80.917 179.208,80.5 178,80.5 177.875,80.375 177.875,79.757 178.036,79.596 178.723,79.596 179.975,78.344 179.975,77.967 179.608,77.6 178.7,77.6 178.475,77.375 178.475,77 178.6,76.875 178.975,76.875 179.075,76.775 179.075,76.525 178.975,76.425 178.6,76.425 178.5,76.325 178.5,75.875 178.6,75.775 v1(178.875,75.775)
LMS3_BB_ADC1_DA6_P: IC39.AE17 IC54.55 | length 55.5
  Top w0.2: IC54.55@154.15,94 v1(155.3,94)
  Top w0.4: v1(178.875,74.775) IC39.AE17@179.375,74.275
  L3 w0.1: v1@155.329,94 v1(155.3,94) 155.271,94 155.121,93.85 154.75,93.85 154.45,94.15 154.45,95.717 154.683,95.95 156.075,95.95 156.25,95.775 156.25,93.867 156.542,93.575 157.883,93.575 158.558,94.25 173.804,94.25 178.775,89.279 178.775,88 178.25,87.475 177.825,87.475 177.321,86.971 177.321,86.497 177.818,86 178.525,86 178.809,85.716 178.809,83.416 178.642,83.25 178.391,83.25 177.875,82.734 177.875,82.1 178.217,81.758 178.967,81.758 179.425,81.3 179.425,81 179.125,80.7 177.917,80.7 177.675,80.458 177.675,79.674 177.953,79.396 178.64,79.396 179.775,78.261 179.775,78.05 179.525,77.8 178.617,77.8 178.275,77.458 178.275,75.375 v1(178.875,74.775)
LMS3_BB_ADC1_DB0_N: IC39.AD17 IC54.60 | length 56
  Top w0.2: IC54.60@154.15,96.5 v1(155.3,96.5)
  Top w0.4: v1(178.875,73.775) IC39.AD17@179.375,73.275
  L3 w0.1: v1@155.271,96.5 v1(155.3,96.5) 155.329,96.5 155.479,96.65 156.067,96.65 156.109,96.609 157.567,95.15 162.348,95.15 174.036,95.15 179.825,89.361 179.825,87.919 179.25,87.344 179.25,86.641 179.541,86.35 181.3,86.35 181.5,86.15 181.5,84.825 181.35,84.675 179.975,84.675 179.675,84.375 179.675,83.967 180.167,83.475 180.5,83.475 180.9,83.075 180.9,81.598 181.5,80.998 181.5,80.65 181.15,80.3 179.975,80.3 179.675,80 179.675,79.492 180.042,79.125 181.342,79.125 181.5,78.967 181.5,77.3 181.225,77.025 180.142,77.025 179.85,76.733 179.85,76.295 180.225,75.92 180.225,75.539 180.225,73.575 180.025,73.375 179.275,73.375 v1(178.875,73.775)
LMS3_BB_ADC1_DB0_P: IC39.AC17 IC54.61 | length 56.7
  Top w0.2: IC54.61@154.15,97 v1(155.3,97)
  Top w0.4: v1(178.875,72.775) IC39.AC17@179.375,72.275
  L3 w0.1: v1@155.271,97 v1(155.3,97) 155.329,97 155.479,96.85 156.15,96.85 157.65,95.35 162.265,95.35 173.958,95.35 174.119,95.35 180.025,89.444 180.025,87.836 179.45,87.261 179.45,86.724 179.624,86.55 181.383,86.55 181.7,86.233 181.7,84.742 181.433,84.475 180.058,84.475 179.875,84.292 179.875,84.05 180.25,83.675 180.583,83.675 181.1,83.158 181.1,81.681 181.7,81.081 181.7,80.567 181.233,80.1 180.058,80.1 179.875,79.917 179.875,79.575 180.125,79.325 181.425,79.325 181.7,79.05 181.7,77.217 181.308,76.825 180.225,76.825 180.05,76.65 180.05,76.378 180.425,76.003 180.425,75.622 180.425,73.492 180.108,73.175 179.275,73.175 v1(178.875,72.775)
LMS3_BB_ADC1_DB1_N: IC39.Y17 IC54.62 | length 55.5
  Top w0.2: IC54.62@154.15,97.5 v1(157.05,97.5)
  Top w0.4: IC39.Y17@179.375,69.275 v1(179.875,69.775)
  L3 w0.1: v1@157.021,97.5 v1(157.05,97.5) 157.079,97.5 157.229,97.65 157.6,97.65 159.175,96.075 159.225,96.025 174.392,96.025 181.025,89.392 181.025,87.817 182.3,86.542 182.3,81.517 182.592,81.225 183.775,81.225 184.1,80.9 184.1,80.475 183.775,80.15 182.617,80.15 182.3,79.833 182.3,73.705 182.02,73.425 181.747,73.425 181.313,72.991 181.313,72.718 181.02,72.425 180.642,72.425 180.275,72.058 180.275,70.175 v1(179.875,69.775)
LMS3_BB_ADC1_DB1_P: IC39.Y16 IC54.63 | length 55.8
  Top w0.2: IC54.63@154.15,98 v1(157.05,98)
  Top w0.4: IC39.Y16@180.375,69.275 v1(180.875,69.775)
  L3 w0.1: v1@157.021,98 v1(157.05,98) 157.079,98 157.229,97.85 157.683,97.85 159.308,96.225 174.475,96.225 181.225,89.475 181.225,87.9 182.5,86.625 182.5,81.6 182.675,81.425 183.858,81.425 184.3,80.983 184.3,80.392 183.858,79.95 182.7,79.95 182.5,79.75 182.5,73.622 182.103,73.225 181.83,73.225 181.513,72.908 181.513,72.635 181.103,72.225 180.725,72.225 180.475,71.975 180.475,70.175 v1(180.875,69.775)
LMS3_BB_ADC1_DB2_N: IC39.AA18 IC54.2 | length 57
  Top w0.2: IC54.2@152.95,99.2 v1(152.95,100.35)
  Top w0.4: IC39.AA18@178.375,70.275 v1(178.875,69.775)
  L3 w0.1: v1@152.95,100.379 v1(152.95,100.35) 152.95,100.321 152.8,100.171 152.8,99.95 153.075,99.675 154.158,99.675 158.083,95.75 162.265,95.75 174.284,95.75 180.625,89.409 180.625,87.934 182.1,86.459 182.1,76.492 181.733,76.125 181.73,76.125 181.525,75.92 181.525,75.917 181.425,75.817 181.425,73.547 181.103,73.225 180.775,73.225 180.447,72.897 180.447,72.569 180.003,72.125 179.73,72.125 179.525,71.92 179.525,71.647 179.103,71.225 178.808,71.225 178.475,70.892 178.475,70.175 v1(178.875,69.775)